# Altium PCB 四层板(完成).PcbDoc (part 2 of 3)
Units mil, origin at the board's own origin, x right, y up, seen from the top; angles counter-clockwise.
Board outline 3790.28 x 1642.89 mil, 4 copper layers (Top Layer, GND, PWR, Bottom Layer), stack 13.98 mil thick; 140 components, 140 nets, 625 pads, 276 vias.
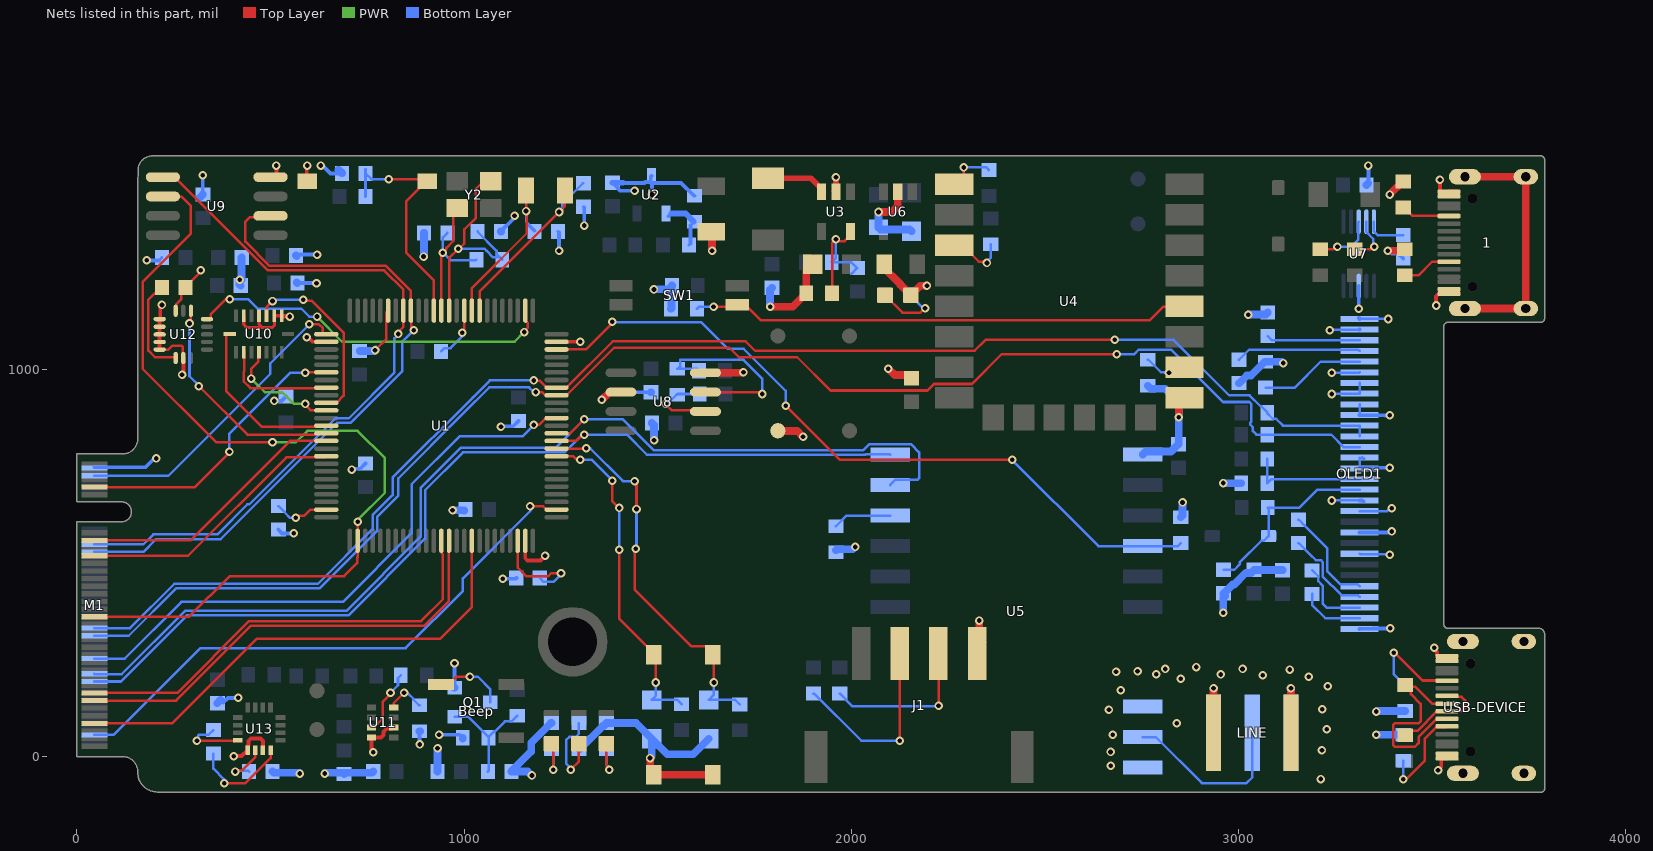
[diagram p4: the nets of this part, all layers, seen from the top]

## Via types
v1: diameter 22, hole 12, Top Layer to Bottom Layer, tented both sides, 195 vias
v2: diameter 22, hole 12, Top Layer to Bottom Layer, 71 vias
v3: diameter 40, hole 30, Top Layer to Bottom Layer, tented both sides, 6 vias
v4: diameter 50, hole 30, Top Layer to Bottom Layer, tented both sides, 4 vias

## Nets (pads, with @x,y where several pads share a name; then routed paths per layer and width w, separated by ;. In a path a pad name is that pad's centre, name@x,y a point inside that pad or via, vN(x,y) a via of type N, cw(c..) or ccw(c..) an arc to the next point about the centre after c; other vN are vias at no path point) (continued)
FLASH_SPI2_MISO: M1.52 U1.17 U9.2 | length 1803
  Top Layer w6.5: U9.2@489.26,1396.44 486.14,1393.32 447.16,1393.32 435.28,1381.44 435.28,1329.93 498.02,1267.19 798.02,1267.19 862.8,1202.4 U1.17@862.8,1151.81 863.82,1150.79 863.82,1107.9 v2(870.28,1101.44)
  Bottom Layer w6.5: M1.52@45.28,528.71 171.72,528.71 204.45,561.44 371.54,561.44 672.53,862.42 707.53,862.42 840.87,995.77 840.87,1072.03 v2(870.28,1101.44)
FLASH_SPI2_MOSI: M1.54 U1.18 U9.5 | length 1934.6
  Top Layer w6.5: U9.5@211.3,1496.44 252.5,1496.44 493.25,1255.69 793.25,1255.69 843.11,1205.83 U1.18@843.11,1151.81 842.9,1151.6 842.9,1109.06 830.28,1096.44 v2(830.28,1091.44)
  Bottom Layer w6.5: M1.54@45.28,548.39 171.96,548.39 197.64,574.07 362.9,574.07 440.53,651.69 445.53,651.69 667.76,873.92 702.76,873.92 820.28,991.44 820.28,1079.88 830.28,1089.88 v2(830.28,1091.44)
FLASH_SPI2_SCK: M1.35 U1.52 U9.6 | length 2355.4
  Top Layer w6.5: M1.35@37.82,361.44 290.17,361.44 395.17,466.44 690.28,466.44 723.63,499.79 723.63,513.85 725,515.22 U1.52@725,557.33 725,606.16 v2(725.28,606.44) ; U9.6@211.3,1446.44 212.36,1445.38 271.47,1445.38 275.28,1441.57 275.28,1441.44 294.53,1422.19 294.53,1350.5 170,1225.97 170,1001.72 360.28,811.44 v1(505.28,811.44)
  PWR w6.5: v1(505.28,811.44) 565.28,811.44 595.28,841.44 725.28,841.44 795.28,771.44 795.28,681.44 725.28,611.44 v2(725.28,606.44)
GND: 1.1 1.2 1.3 1.4 1.A1 1.A12 1.B1 1.B12 C1.1 C2.1 C3.1 C4.2 C6.2 C7.2 C8.2 C9.2 C11.1 C12.1 C14.1 C15.2 C16.2 C17.2 C18.1 C19.2 C20.2 C21.1 C22.1 C23.1 C24.1 C25.1 C27.1 C28.1 C29.1 C30.1 C31.1 C32.1 C33.2 C34.1 C35.1 C36.2 C37.2 C40.2 C41.2 C42.2 C43.2 C44.2 C45.2 C46.2 C47.2 C48.2 C49.2 C50.1 C52.2 J1.4 K1.1 K2.1 K3.1 LED1.2 LINE.2 LINE.3 LINE.4 LINE.5 M1.74 OLED1.1 OLED1.8 OLED1.10 OLED1.12 OLED1.13 OLED1.16 OLED1.17 OLED1.21 OLED1.22 OLED1.23 OLED1.24 OLED1.25 OLED1.29 OLED1.30 P-GND.1 Q1.1 R1.1 R3-1.1 R3.1 R8.2 R13.2 R16.1 R17.1 R20.2 R24.2 R28.1 R29.2 R31.2 R33.1 R37.1 R38.1 R47.2 R48.1 R49.1 R50.2 U1.10 U1.20 U1.27 U1.74 U1.99 U2.3 U3.2 U4.9 U5.1 U5.3 U5.9 U6.2 U7.3 U8.2 U8.8 U9.4 U10.2 U10.4 U10.6 U10.7 U11.1 U11.7 U12.8 U12.9 U12.10 U12.11 U12.12 U12.13 U12.15 U13.9 U13.11 USB-DEVICE.1 USB-DEVICE.2 USB-DEVICE.3 USB-DEVICE.4 USB-DEVICE.A1 USB-DEVICE.A12 USB-DEVICE.B1 USB-DEVICE.B12 | length 9268.9
  Top Layer w6.5: U12.13@213.95,1051.05 214.15,1051.25 236.48,1051.25 246.68,1061.44 270.28,1061.44 274.1,1057.62 274.1,1030.27 U12.15@274.97,1029.4 ; U12.8@255.28,1151.44 256.15,1152.31 256.15,1167.31 270.28,1181.44 270.28,1200.87 C49.2@272.29,1202.88 ; C49.2@280.59,1211.44 280.59,1212.42 317.31,1249.14 317.31,1253.47 v1(320.28,1256.44) ; U9.4@500.28,1496.44 506.83,1496.44 U9.4@515.28,1504.89 ; K3.1@593.8,1487.92 K3.1@595.28,1486.44 ; v2(770.02,1049.43) 799.53,1078.94 799.53,1147.6 U1.20@803.74,1151.81 ; v2(995,1095) 1000,1100 1000,1151.21 U1.10@1000.6,1151.81 ; v1@3505.28,277.25 v1(3505.28,281.44) ; v1(3510,1165) v1@3510.28,1165.28 ; USB-DEVICE.A12@3512.04,261.76 3514.69,259.11 USB-DEVICE.A12@3538.31,259.11 ; USB-DEVICE.B12@3512.63,4.48 3515.29,7.14 USB-DEVICE.B12@3538.31,7.14 ; 1.A12@3519.69,1459.11 1.A12@3543.31,1459.11 ; 1.A1@3528.27,1195.33 1.A1@3543.31,1195.33
  Top Layer w8: U10.2@430.99,1138.68 430.99,1115.73 438.79,1107.93 478.79,1107.93 ; U10.4@470.36,1138.68 470.36,1116.36 478.79,1107.93 ; U10.6@510.28,1138.68 510.28,1113.99 504.22,1107.93 478.79,1107.93
  Top Layer w10: U12.13@213.95,1051.05 U12.12@213.95,1070.74 U12.11@213.95,1090.42 U12.10@213.95,1110.11 U12.9@213.95,1129.79 214.81,1129.79 215.28,1130.26 215.28,1158.64 219.83,1163.19 v1(219.83,1166.44) ; v1(271.71,986.44) 275.12,989.86 275.12,1029.24 U12.15@274.97,1029.4 ; v1(405.28,1.44) 425.28,1.44 439.98,16.14 439.98,16.44 U13.9@441.21,17.67 ; U13.9@441.21,16.44 U13.9@441.21,17.67 ; U13.11@481.07,16.44 481.07,40.09 474.72,46.44 449.27,46.44 443.41,40.58 443.41,29.84 441.21,27.64 U13.9@441.21,17.67 ; U10.6@509.73,1138.68 510.28,1138.68 U10.7@529.42,1138.68 ; U9.4@515.28,1504.89 v1(515.28,1526.44) ; K3.1@593.8,1487.92 593.8,1524.96 v1(595.28,1526.44) ; v2(593.89,1082.83) 597.14,1082.83 608.51,1071.46 643.96,1071.46 U1.27@644.3,1071.11 ; v1@761.34,13.09 U11.1@761.34,44.88 ; U11.1@761.34,49.88 785.75,49.88 791.61,55.74 791.61,63.97 800.4,72.76 815.69,72.76 U11.7@818.42,75.48 ; U1.74@1158.08,557.33 1158.08,512.3 1163.94,506.44 1197.03,506.44 1209.16,518.57 v2(1209.16,518.65) ; U1.99@1238.78,1071.11 1238.95,1071.28 1299.79,1071.28 1299.95,1071.11 v2(1300.28,1071.44) ; U3.2@1960.04,1458.58 U3.2@1960.16,1458.7 ; v1@1960.16,1496.32 v1(1960.28,1496.44) ; U4.9@2845.28,911.53 U4.9@2860.23,926.48 ; v1@3505.28,277.25 3512.04,270.49 USB-DEVICE.A12@3512.04,261.76 ; v1@3510.28,1165.28 3510.28,1188.56 3516.14,1194.42 1.A1@3542.41,1194.42 ; v1(3515,-35) 3523.27,-26.73 3523.27,-5.58 USB-DEVICE.A1@3524.17,-4.67 ; 1.A12@3519.69,1459.11 3520,1459.41 v1(3520,1490) ; USB-DEVICE.A1@3522.3,0.68 3529.16,4.48 3532.41,1.23 ; USB-DEVICE.A1@3525.74,-0.68 3529.16,-2.02 3532.41,1.23 ; USB-DEVICE.A1@3529.16,-4.67 USB-DEVICE.A1@3538.31,-4.67 3532.41,1.23 ; USB-DEVICE.B12@3538.31,7.14 3532.41,1.23 ; USB-DEVICE.B1@3538.31,247.3 USB-DEVICE.A12@3538.31,259.11 USB-DEVICE.A12@3553.75,259.11 ; 1.B12@3543.31,1207.14 1.A1@3543.31,1195.33 ; 1.B1@3543.31,1447.3 1.A12@3543.31,1459.11 1.A12@3565.34,1459.11 ; 1.A1@3565.34,1195.33 1.A1@3543.31,1195.33 ; 1.1@3566.25,1170.51 3579.81,1156.94 1.1@3584.26,1156.94 ; 1.2@3566.25,1483.92 3579.81,1497.49 1.2@3584.26,1497.49 ; 1.A1@3542.41,1194.42 3528.27,1194.42 1.A1@3542.41,1194.42 ; 1.A1@3542.41,1194.42 1.A1@3543.31,1195.33
  Top Layer w12: U10.7@529.42,1138.68 530.5,1137.56 549.16,1137.56 v1(550.28,1136.44) ; v1(765.28,11.44) v1@765.28,14.15
  Top Layer w15: U3.2@1960.16,1458.7 v1@1960.16,1496.32 ; USB-DEVICE.B12@3545.28,2.29 USB-DEVICE.B12@3545.28,3.34
  Top Layer w20: v1(1355.28,921.44) 1355.66,921.82 1356.28,921.82 1375.88,941.42 U8.2@1405.35,941.42 ; v1(1480.28,-3.56) 1480.66,-3.94 1480.66,-38.21 K1.1@1489.48,-47.02 K2.1@1641.78,-47.03 ; U8.8@1623.29,991.42 1720.27,991.43 v1(1721.39,992.55) ; C27.1@1638.67,1355.49 1640.28,1353.89 v1(1640.28,1306) ; v1@1790.28,1161.59 v1(1790.28,1161.44) 1848.35,1161.44 1873.67,1186.75 1875.64,1186.75 1883.35,1194.47 R20.2@1883.35,1196.44 1883.35,1254.51 C24.1@1900.28,1271.44 ; P-GND.1@1810.28,841.44 1810.51,841.21 1859.97,841.21 1874.74,826.44 v1(1875.28,826.44) ; U3.2@1958.23,1460.39 U3.2@1960.04,1458.58 ; v1(2070.28,1406.44) 2105.5,1406.44 2120.04,1420.98 U6.2@2120.04,1468.58 ; C25.1@2080.28,1271.44 2080.28,1266.44 2127.06,1219.66 2127.06,1218.12 LED1.2@2153.75,1191.44 2178.36,1216.06 2194.9,1216.06 v1(2195.28,1216.44) ; v1(2095.28,1001.44) 2095.82,1001.44 2111.88,985.38 2146.97,985.38 C20.2@2155.28,977.07 ; J1.4@2325.28,266.44 2325.28,282.82 2338.9,296.44 2330.28,305.06 v1(2330.28,351.44) ; v1(2845.28,876.44) U4.9@2845.28,911.53 ; LINE.4@2935.28,61.44 v1(2935.28,176.44) ; LINE.5@3135.28,61.44 v1(3135.28,176.44) ; v1(3385.28,1306.44) 3425.39,1306.44 R13.2@3428.85,1309.9 ; v1(3390.28,1451.44) 3390.28,1451.89 3423.3,1484.91 R17.1@3425.27,1484.91 ; USB-DEVICE.1@3557.84,-34.11 3566.79,-43.06 USB-DEVICE.1@3579.26,-43.06 ; USB-DEVICE.2@3557.84,288.54 3566.79,297.49 USB-DEVICE.2@3579.26,297.49 ; 1.1@3584.26,1156.94 1.3@3741.74,1156.94 1.4@3741.74,1497.49 1.2@3584.26,1497.49
  Bottom Layer w6.5: C46.2@212.24,1281.44 C46.2@219.71,1288.92 ; C48.2@566.27,1294.06 C48.2@568.66,1296.44 ; R38.1@885.13,65.71 R38.1@885.28,65.57 ; C6.2@940.59,1046.44 949.15,1055 965,1055 995,1085 v2(995,1095) ; R33.1@988.55,56.44 R33.1@996.26,48.73 ; C18.1@1095.59,1356.44 C18.1@1095.59,1357.42 ; v1@1127.31,1389.14 1127.31,1393.47 v1(1130.28,1396.44) ; C12.1@1242.38,1356.44 C12.1@1245.28,1353.54 ; C11.1@1307.89,1420.09 C11.1@1310.28,1417.7 ; v1(3235.28,1101.44) 3235.89,1102.05 3311.89,1102.05 OLED1.29@3312.5,1102.65 ; v1(3240.28,661.44) 3240.44,661.6 3312.34,661.6 OLED1.13@3312.5,661.75 ; v1(3240.28,936.44) 3240.74,936.9 3312.04,936.9 OLED1.23@3312.5,937.35 OLED1.24@3312.5,964.95 ; v1(3240.28,991.44) 3240.79,991.95 3311.99,991.95 OLED1.25@3312.5,992.45 ; OLED1.8@3312.5,523.95 3313.76,522.7 3389.02,522.7 v1(3390.28,521.44) ; OLED1.12@3312.5,634.15 3383.8,634.15 3391.09,641.44 v1(3395.28,641.44) ; OLED1.16@3312.5,744.45 OLED1.17@3312.5,771.95 ; OLED1.22@3312.5,909.75 3312.5,882.32 OLED1.21@3312.57,882.25 ; OLED1.30@3312.5,1130.25 3312.57,1130.18 3386.56,1130.18 v1@3386.77,1130.39
  Bottom Layer w10: M1.74@45.28,747.25 177.25,747.25 200,770 v1(205,770) ; v1(180.28,1281.44) C46.2@212.24,1281.44 ; C33.2@325.28,1451.44 v1(325.28,1501.44) ; C50.1@378.12,139.28 390.5,151.66 v1(416.9,151.66) ; v1(509.41,918.55) 528.92,918.55 R24.2@540.27,929.9 ; C15.2@520.28,586.44 530.28,576.44 v1(560.28,576.44) ; C48.2@568.66,1296.44 v1(620.28,1296.44) ; C44.2@569.45,1222.78 v1(618.94,1222.78) ; v1(630.28,1526.44) 634.74,1526.44 654.96,1506.22 C3.1@684.85,1506.22 ; v1(710.28,741.44) 712.29,743.45 731.97,743.45 C8.2@745.28,756.75 ; v1(885.28,31.44) R38.1@885.28,65.57 ; v1(935.28,56.44) R33.1@988.55,56.44 ; v1(975.28,241.44) 975.53,241.19 Q1.1@975.53,178.03 ; v1(1095.28,851.44) 1096.97,853.13 1126.97,853.13 C4.2@1140.28,866.44 ; C18.1@1095.59,1357.42 v1@1127.31,1389.14 ; v1(1099.53,459.25) 1132.78,459.25 C16.2@1134.97,461.44 ; v1(1245.28,1306.44) C12.1@1245.28,1353.54 ; v1(1310.28,1371.44) C11.1@1310.28,1417.7 ; v1(1355.28,921.44) 1374.81,940.97 C30.1@1482.24,940.97 ; C14.1@1382.8,1481.75 1383.78,1481.75 1397.09,1468.45 1397.09,1467.46 1403.11,1461.44 v1(1440.28,1461.44) ; 1410.28,1481.75 1465.88,1481.75 1467.7,1483.57 1480.21,1483.57 U2.3@1482.02,1481.75 ; U2.3@1482.02,1488.64 1482.02,1497.89 U2.3@1483.76,1499.63 ; v1(1485.28,1451.44) 1485.28,1478.49 U2.3@1482.02,1481.75 ; R8.2@1595.28,1448.37 1593.31,1448.37 1559.92,1481.75 U2.3@1482.02,1481.75 ; OLED1.30@3310.28,1132.47 OLED1.30@3312.5,1130.25 ; v1(3310.28,1156.44) U7.3@3310.28,1215.3 ; OLED1.10@3312.5,579.05 3389.65,579.05 3392.03,581.44 v1(3395.28,581.44) ; OLED1.16@3312.5,744.45 3313.12,745.11 3319.48,745.27 OLED1.16@3320.16,745.29 ; OLED1.29@3312.5,1102.65 OLED1.29@3312.57,1102.72 ; OLED1.1@3312.57,329.85 3347.21,330.48 3347.37,330.65 3390.47,330.65 v1(3391.27,331.44) ; OLED1.13@3312.57,661.75 3319.37,661.75 OLED1.13@3322.22,658.9 ; OLED1.21@3312.57,882.25 3313.1,881.71 3379.8,880.91 3380.34,881.44 v1(3390.28,881.44) ; OLED1.30@3312.57,1130.25 OLED1.30@3313.45,1131.05 ; OLED1.17@3319.32,771.95 OLED1.17@3322.17,769.1 ; OLED1.16@3319.5,744.63 OLED1.16@3320.16,745.29 ; OLED1.16@3322.17,747.3 OLED1.16@3320.16,745.29 ; C29.1@3330.6,1476.44 3335.28,1481.12 v1(3335.28,1526.44) ; v1(3385.28,1306.44) 3388.53,1306.44 3395.54,1299.43 3411.97,1299.43 C28.1@3425.28,1286.12 ; v1(3386.77,1130.1) 3389.55,1127.32 3386.91,1130.23 v1@3386.77,1130.39 ; v1(3390.28,746.44) 3389.69,747.06 OLED1.16@3320.16,745.29
  Bottom Layer w15: C14.1@1382.8,1481.75 1410.28,1481.75
  Bottom Layer w20: C33.2@316.97,1443.13 C33.2@325.28,1451.44 ; C50.1@362.85,137.94 C50.1@371.15,146.25 ; v1(420.28,1231.44) 420.28,1218.92 C47.2@423.21,1215.99 ; C47.2@425.57,1231.44 425.57,1288.44 C45.2@426.04,1288.91 C45.2@426.04,1287.93 ; C52.2@505.6,-38.56 508.78,-41.75 v1@575.28,-41.75 ; C48.2@566.27,1294.06 C48.2@567.86,1292.47 ; C44.2@567.86,1224.37 C44.2@569.45,1222.78 ; v1@640.28,-41.75 687.1,-41.75 C43.2@690.28,-44.93 693.47,-41.75 762.09,-41.75 C42.2@765.28,-38.56 C42.2@765.28,-37.58 ; C3.1@675.56,1515.51 676.54,1515.51 684.85,1507.2 C3.1@684.85,1506.22 ; C7.2@730.42,1047.42 768.01,1047.42 v2(770.02,1049.43) v2@772.03,1051.44 ; R38.1@885.13,65.71 R38.1@887.1,65.71 ; v1(895.28,1291.44) 895.28,1291.98 896.3,1293.01 C17.2@896.3,1352.54 ; C36.2@931.46,-38.56 v1(931.46,21.35) ; v1(970.28,636.44) 999.98,636.44 C9.2@1000.66,635.76 ; Q1.1@974.55,178.03 Q1.1@975.53,178.03 ; R33.1@996.26,46.76 R33.1@996.26,48.73 ; C18.1@1095.59,1355.46 C18.1@1095.59,1356.44 ; v1(1175.28,-48.56) 1174.74,-48.56 1164.74,-38.56 C37.2@1122.09,-38.56 1122.09,-37.58 1173.21,13.54 1173.21,36.11 1223.74,86.64 R1.1@1225.71,86.64 ; R3.1@1296.66,19.72 1298.63,19.72 1357.84,78.93 1359.96,78.93 R3-1.1@1367.67,86.64 1444.27,86.64 C1.1@1484.48,46.44 ; v1(1480.28,-3.56) 1480.28,-3.02 1484.48,1.18 C1.1@1484.48,46.44 ; C30.1@1482.24,940.97 C30.1@1483.22,940.97 ; C32.1@1484.97,861.44 1490.25,856.16 1490.25,817.63 v1(1490.63,817.25) ; v1(1490.28,1206.44) 1490.66,1206.82 1529.11,1206.82 R31.2@1535.64,1213.35 ; R29.2@1534.45,1156.42 1535.64,1157.61 R31.2@1535.64,1213.35 ; R31.2@1536.82,1216.43 1536.82,1214.54 R31.2@1535.64,1213.35 ; C2.1@1631.78,46.44 1591.78,6.44 1524.48,6.44 C1.1@1484.48,46.44 ; v1(1790.28,1161.44) 1790.28,1205.81 C21.1@1795.28,1210.81 ; R50.2@1960.29,532.75 1963.24,535.7 2004,535.7 2009.74,541.44 v1(2010.28,541.44) ; v1(2070.28,1406.44) C22.1@2070.28,1366.44 2075.28,1361.44 2150.28,1361.44 C23.1@2155.28,1356.44 ; U5.9@2752.6,780.14 2760.31,787.86 2825.4,787.86 2844.3,806.76 C19.2@2845.28,806.76 v1(2845.28,876.44) 2845.28,915.9 2810.93,950.25 2772.99,950.25 R16.1@2765.27,957.97 ; R49.1@2850.79,618.44 2854.9,622.55 2854.9,656.06 v1(2855.28,656.44) ; v1(2960.28,371.44) 2960.28,410 2965.28,415 2960.28,420 2984.67,444.38 2988.94,444.38 3018.94,474.38 3031.92,474.38 C35.1@3040.23,482.69 3040.83,482.08 3113.19,482.08 C34.1@3113.79,481.48 ; v1(2960.28,706.44) 2960.82,706.44 2961.58,705.68 R28.1@3006.84,705.68 ; C41.2@3000.7,964.47 3001.69,964.47 3021.21,983.99 3031.8,983.99 3067.8,1019.99 R37.1@3069.77,1019.99 3111.19,1019.99 3114.74,1016.44 v1(3115.28,1016.44) ; v1(3025.28,1141.44) 3069.96,1141.44 C40.2@3075.28,1146.76 ; C29.1@3330.6,1476.44 C29.1@3334.57,1480.42 ; v1(3355.28,56.44) R47.2@3425.28,56.44 ; v1(3355.28,116.44) 3355.82,116.44 3357.35,117.97 R48.1@3430.27,117.97 ; 1.2@3558.9,1506.44 3567.85,1497.49 1.2@3584.26,1497.49
  other v1: 3212.22,-57.87 575.28,-43.56 640.28,-43.56 2670.28,-23.56 2669.37,12.09 3215.28,16.44 2675.28,56.44 3227.9,70.53 2840.28,86.44 2665.28,121.44 3216.44,122.37 2695.28,171.44 3230.28,181.44 2850.28,201.44 3180.88,206.16 3062.12,210.38 2787.24,212.79 2953.62,212.19 2683.56,218.82 2739.02,220.62 3132.05,224.84 2810.28,226.44 3010.28,226.44 2890.28,231.44
GPIO0_ESP12F: R29.1 SW1.1 U4.12 | length 1671.5
  Top Layer w6.5: SW1.1@1720.28,1166.44 1714.2,1160.36 SW1.1@1713.11,1161.44 ; SW1.1@1726.36,1166.44 1766.36,1126.44 2770.28,1126.44 2805.16,1161.32 2858.93,1161.32 U4.12@2860.31,1162.7 ; v1(1644.2,1161.44) SW1.1@1713.11,1161.44 ; v1(1644.2,1161.44) SW1.1@1713.11,1161.44 ; v1(1644.2,1161.44) SW1.1@1713.11,1161.44 ; v1(1644.2,1161.44) SW1.1@1705.28,1161.44 ; v1(1644.2,1161.44) SW1.1@1705.28,1161.44 ; v1(1644.2,1161.44) SW1.1@1713.11,1161.44 ; SW1.1@1705.28,1161.44 SW1.1@1713.11,1161.44 ; SW1.1@1705.28,1161.44 SW1.1@1713.11,1161.44 ; SW1.1@1705.28,1161.44 SW1.1@1713.11,1161.44 ; SW1.1@1705.28,1161.44 SW1.1@1713.11,1161.44 ; SW1.1@1705.28,1161.44 SW1.1@1713.11,1161.44 ; SW1.1@1705.28,1161.44 SW1.1@1713.11,1161.44
  Bottom Layer w6.5: R29.1@1601.38,1156.42 1606.4,1161.44 v1@1650.28,1161.44
IN__ICM20602_CS: U1.2 U12.5 | length 964.1
  Top Layer w6.5: U12.5@335.99,1129.79 343.31,1129.79 345.4,1131.88 345.4,1141.23 385.61,1181.44 v1(395.28,1181.44) ; v2(1155.28,1096.44) 1155.28,1098.56 1164.72,1108 1164.72,1119.25 1158.08,1125.88 U1.2@1158.08,1151.81
  PWR w6.5: v1(620.28,1136.44) 685.28,1071.44 1130.28,1071.44 v2(1155.28,1096.44)
  Bottom Layer w6.5: v1(395.28,1181.44) 442.41,1181.44 466.66,1157.19 579.53,1157.19 600.28,1136.44 v1(620.28,1136.44)
IN_BMI088_CSB1_ACC: U1.33 U10.14 | length 300.7
  Top Layer w6.5: U10.14@432.66,1047.53 432.66,996.05 431.03,994.41 431.03,968.47 448.06,951.44 613.4,951.44 613.94,951.98 643.29,951.98 U1.33@644.3,953
IN_BMI088_CSB2_GYRO: U1.35 U10.5 | length 479.3
  Top Layer w6.5: U10.5@490.05,1138.68 490.05,1161.21 v1(505.28,1176.44) ; v2(584.77,1179.68) 587.73,1176.71 607.23,1176.71 689.05,1094.89 689.05,932.45 670.23,913.63 U1.35@644.3,913.63
  Bottom Layer w6.5: v1(505.28,1176.44) 508.52,1179.68 v2(584.77,1179.68)
IN_BMI088_INT1_EXIT7_ACC: U1.38 U10.16 | length 454.6
  Top Layer w6.5: U10.16@394.89,1091.44 386.95,1091.44 385.28,1089.77 385.28,944.22 478.06,851.44 614.15,851.44 617.28,854.57 U1.38@644.3,854.57
IN_BMI088_INT2_EXIT1_GYRO: U1.36 U10.12 | length 306
  Top Layer w6.5: v1(450.28,976.44) 450.28,1001.44 468.69,1019.85 468.69,1042.53 U10.12@470.36,1044.2 ; v2(590.28,910.69) 590.28,907.81 603.13,894.96 643.29,894.96 U1.36@644.3,893.94
  PWR w6.5: v1(450.28,976.44) 485.28,941.44 530.28,941.44 561.03,910.69 v2(590.28,910.69)
IN_ICM20602_INT_EXIT8: U1.39 U12.6 | length 588.8
  Top Layer w6.5: v1(290.96,1118.67) 293.78,1121.5 293.78,1150.57 U12.6@294.65,1151.44 ; v2(315.28,956.44) 440.28,831.44 613.84,831.44 617.28,834.88 U1.39@644.3,834.88
  Bottom Layer w6.5: v1(290.96,1118.67) 290.96,982.32 315.28,958 v2(315.28,956.44)
IN_KEY1_EXIT3: C1.2 K1.2 R2.1 U1.84 | length 898
  Top Layer w6.5: U1.84@1212.86,775.83 U1.84@1238.78,775.83 1281.7,775.83 1291.09,766.44 v2(1300.28,766.44) ; v1(1382.31,712.19) 1382.31,660.16 v1(1400.28,642.19) ; v1@1400.28,536.44 v1(1400.28,534.34) 1400.28,357.17 1489.48,267.98 K1.2@1489.48,262.98 1489.48,257.24 1495.28,251.44 v1(1495.28,191.44)
  Bottom Layer w6.5: v2(1300.28,766.44) 1330.28,766.44 1382.31,714.41 v1(1382.31,712.19) ; v1(1400.28,534.34) v1(1400.28,642.19) ; v1(1495.28,191.44) 1495.28,157.24 C1.2@1484.48,146.44 1550.99,146.44 R2.1@1561.78,135.65
IN_KEY2_EXIT4: C2.2 K2.2 R4.1 U1.85 | length 1003.9
  Top Layer w6.5: U1.85@1238.78,795.51 1314.35,795.51 v2(1315.28,796.44) ; v1(1440.28,711.56) 1440.28,707.36 1445.28,702.36 v1(1445.28,639.34) ; v1(1443.5,537.19) 1440.28,533.97 1440.28,431.44 1587,284.72 1625.03,284.72 1641.78,267.97 K2.2@1641.78,262.97 1645.28,259.47 v1(1645.28,191.44)
  Bottom Layer w6.5: v2(1315.28,796.44) 1325.28,796.44 1410.16,711.56 v1(1440.28,711.56) ; v1(1443.5,537.19) 1443.5,537.36 1445.28,539.14 v1(1445.28,639.34) ; v1(1645.28,191.44) 1645.28,159.94 C2.2@1631.78,146.44 1700.26,146.44 R4.1@1711.79,134.91
IN_LORA_MD0: R49.2 U1.98 U5.6 | length 1909.9
  Top Layer w6.5: U1.98@1238.78,1051.42 1314.57,1051.44 1379.23,1116.1 1379.23,1120.39 v2(1382.2,1123.36) ; v1(1830.28,906.44) 1970.28,766.44 v1(2415.28,766.44)
  Bottom Layer w6.5: v2(1382.2,1123.36) 1384.12,1121.44 1613.06,1121.44 1681.56,1052.94 1722.13,1052.94 1830.28,944.79 v1(1830.28,906.44) ; v1(2415.28,766.44) 2637.8,543.92 U5.6@2752.6,543.92 2843.2,543.92 R49.2@2850.79,551.51
LB_ENCODE1_TIM3_CH1: M1.15 U1.63 | length 1152.6
  Top Layer w6.5: M1.15@45.28,164.59 259.59,164.59 445.06,350.06 888.9,350.06 945.28,406.44 945.28,521.95 942.56,524.67 942.56,556.31 U1.63@941.54,557.33
LB_ENCODE2_TIM3_CH2: M1.13 U1.64 | length 1177.5
  Top Layer w6.5: M1.13@45.28,144.91 256.17,144.91 449.82,338.56 897.4,338.56 961.03,402.19 961.03,557.14 U1.64@961.22,557.33
LB_WHELL_SPEED_TIM1_CH2: M1.51 U1.42 | length 705.4
  Top Layer w6.5: M1.51@45.28,518.92 287.76,518.92 541.42,772.58 641.05,772.58 U1.42@644.3,775.83
LF_ENCODE1_TIM2_CH1: M1.4 U1.77 | length 1467.8
  Top Layer w6.5: v2(1170.28,646.44) 1204.45,646.44 1212.86,638.03 U1.77@1238.78,638.03
  Bottom Layer w6.5: M1.4@45.28,56.27 95.11,56.27 319.28,280.44 849.28,280.44 996.78,427.94 996.78,460.16 1170.28,633.66 v2(1170.28,646.44)
LF_ENCODE2_TIM2_CH2: M1.24 U1.89 | length 1524.6
  Top Layer w6.5: v2(1180.28,856.44) 1193.95,856.44 1211.76,874.25 U1.89@1238.78,874.25
  Bottom Layer w6.5: M1.24@45.28,253.12 123.81,253.12 270.18,399.49 686.82,399.49 864.78,577.45 864.78,703.47 989.25,827.94 1151.78,827.94 v2(1180.28,856.44)
LF_WHELL_SPEED_TIM1_CH1: M1.55 U1.40 | length 705.4
  Top Layer w6.5: M1.55@45.28,558.29 293.39,558.29 550.3,815.2 U1.40@644.3,815.2
LORA_RX_USART2: M1.20 U1.87 U5.11 | length 2760.3
  Top Layer w6.5: U1.87@1238.78,834.88 1273.72,834.88 v2(1310.28,871.44)
  Bottom Layer w6.5: M1.20@45.3,213.83 46.43,212.7 115.92,212.7 279.71,376.49 696.34,376.49 887.78,567.93 887.78,693.94 991.03,797.19 1236.03,797.19 v2(1310.28,871.44) 1409.22,871.44 1489.22,791.44 2031.02,791.44 2045.68,806.11 2154.88,806.11 2175.28,785.7 2175.28,719.27 2171.47,715.46 2114.34,715.46 U5.11@2100.28,701.4
LORA_TX_USART2: M1.18 U1.86 U5.10 | length 2492.8
  Top Layer w6.5: U1.86@1238.78,815.2 1289.04,815.2 1305.28,831.44 v2(1310.28,831.44)
  Bottom Layer w6.5: M1.18@45.28,194.06 113.54,194.06 284.48,364.99 701.11,364.99 899.28,563.16 899.28,687.97 997,785.69 1259.53,785.69 1305.28,831.44 v2(1310.28,831.44) 1420.28,831.44 1471.78,779.94 2035.78,779.94 2037.28,781.44 2098.98,781.44 U5.10@2100.28,780.14
Net1_A5: 1.A5 R13.1 | length 129
  Top Layer w6.5: R13.1@3428.85,1242.97 3464.97,1242.97 3500.01,1278 1.A5@3543.31,1278
Net1_B5: 1.B5 R17.2 | length 127.1
  Top Layer w6.5: R17.2@3425.27,1417.98 3439.74,1403.52 3441.71,1403.52 3448.78,1396.44 3542.99,1396.44 1.B5@3543.31,1396.11
Net2_A5: R47.1 USB-DEVICE.A5 | length 250.9
  Top Layer w6.5: v1(3425.28,-58.56) 3428.25,-55.59 3435.8,-55.59 3480.25,-11.15 3480.25,45.62 3509.97,75.35 3535.66,75.35 USB-DEVICE.A5@3538.31,78
  Bottom Layer w6.5: v1(3425.28,-58.56) R47.1@3425.28,-10.49
Net2_B5: R48.2 USB-DEVICE.B5 | length 264.4
  Top Layer w6.5: v1(3400.28,267.94) 3403.78,267.94 3475.08,196.64 3537.78,196.64 USB-DEVICE.B5@3538.31,196.11
  Bottom Layer w6.5: v1(3400.28,267.94) 3400.28,212.92 3428.3,184.9 R48.2@3430.27,184.9
NetBEEP1_2: Beep.2 Q1.3 | length 182.3
  Top Layer w6.5: Beep.2@940.68,186.44 960.36,186.44 980.36,206.44 v1(1015.28,206.44)
  Bottom Layer w6.5: v1(1015.28,206.44) 1035.28,206.44 1068.05,173.67 Q1.3@1068.05,140.63
NetC11_2: C11.2 U1.8 Y1.1 | length 508.9
  Top Layer w6.5: U1.8@1039.97,1151.81 1039.97,1201.13 v1(1245.28,1406.44) 1260.48,1421.64 Y1.1@1260.48,1461.44
  Bottom Layer w6.5: v1@1249.83,1406.9 v1@1250.02,1406.71 ; C11.2@1307.89,1480.72 1306.91,1480.72 1253.25,1427.05 v1@1253.25,1409.93 ; v1@1250.02,1406.71 v1@1253.25,1409.93 ; v1@1250.02,1406.71 v1@1253.25,1409.93 ; v1@1250.02,1406.71 v1@1253.25,1409.93
NetC12_2: C12.2 U1.9 Y1.2 | length 459.9
  Top Layer w6.5: U1.9@1020.28,1151.81 1020.28,1209.93 1161.87,1351.51 v1@1161.87,1411.99 ; v1@1160.08,1402.54 v1(1160.08,1408.84) Y1.2@1160.08,1461.44
  Bottom Layer w6.5: v1@1160.08,1410.89 v1(1160.08,1408.84) 1160.08,1381.64 1166.69,1375.03 1166.69,1371.5 C12.2@1181.75,1356.44 ; C12.2@1170.28,1371.44 C12.2@1183.52,1358.2
NetC15_1: C15.1 U1.49 | length 143.1
  Top Layer w6.5: v2@567.15,619.57 570.11,622.54 587.54,622.54 603.03,638.03 U1.49@644.3,638.03
  Bottom Layer w6.5: C15.1@520.28,647.07 521.26,647.07 536.32,632.01 536.32,631.03 550.91,616.44 v2(565.28,616.44)
NetC16_1: C16.1 U1.73 | length 262.7
  Top Layer w6.5: U1.73@1138.39,557.33 1138.93,556.8 1138.93,487.79 1160.28,466.44 1217.61,466.44 1224.77,473.59 v2(1250.28,473.59)
  Bottom Layer w6.5: C16.1@1195.59,461.44 1205.59,451.44 1231.09,451.44 1250.28,470.63 v2(1250.28,473.59)
NetC17_1: C17.1 R10.2 U1.13 Y2.1 | length 433.7
  Top Layer w6.5: U1.13@941.54,1151.81 941.54,1297.32 954.56,1310.34 954.56,1313.65 971.97,1331.06 Y2.1@971.97,1421.99
  Bottom Layer w6.5: C17.1@956.93,1352.54 945.28,1340.89 v1(945.28,1301.44) 964.53,1282.19 1030.61,1282.19 R10.2@1031.82,1283.4
NetC18_2: C18.2 R10.1 U1.12 Y2.3 | length 607.3
  Top Layer w6.5: U1.12@961.22,1151.81 961.22,1287.38 v1(985.28,1311.44) 987.09,1311.44 1000.45,1324.81 1000.45,1361.44 1030.28,1391.27 1030.28,1466.52 1054.65,1490.89 Y2.3@1058.59,1490.89
  Bottom Layer w6.5: v1(985.28,1311.44) 1052.86,1311.44 1057.79,1306.51 1075.09,1289.2 1092.95,1289.2 R10.1@1098.75,1283.4 1084.28,1297.87 1084.28,1306.14 1034.96,1355.46 C18.2@1034.96,1356.44
NetC26_1: C26.1 R19.2 R20.1 U3.5 | length 356.9
  Top Layer w6.5: R20.1@1950.28,1196.44 1950.28,1326.44 v1(1960.28,1336.44) 1965.4,1331.32 1982.38,1331.32 1997.44,1346.38 U3.5@1997.44,1356.22
  Bottom Layer w6.5: v1(1960.28,1336.44) 1960.28,1287.24 R19.2@1949.49,1276.45 2000.35,1276.45 2015.04,1261.75 C26.1@1999.99,1246.7
NetC28_2: C28.2 U7.10 | length 104.7
  Bottom Layer w6.5: U7.10@3349.65,1381.44 3349.65,1356.29 3359.18,1346.76 C28.2@3425.28,1346.76
NetC31_2: C31.2 D1.1 OLED1.14 R30.1 | length 486.5
  Bottom Layer w6.5: C31.2@2961.36,482.69 2989.11,482.69 3002.92,496.5 3002.92,501.73 3058.65,557.46 3065.55,557.46 D1.1@3077.63,569.53 3077.63,640.65 R30.1@3075.1,643.18 3077.63,643.18 3157.27,643.18 3203.44,689.35 OLED1.14@3312.5,689.35
NetC37_1: C37.1 Q1.2 R32.2 R33.2 | length 295.8
  Bottom Layer w6.5: Q1.2@975.53,103.23 1010.66,103.23 R33.2@1063.19,50.7 ; C37.1@1061.46,-38.56 1063.19,-36.83 R33.2@1063.19,48.73 R33.2@1063.19,50.7 ; R32.2@1137.03,105.26 1122.56,90.8 1105.26,90.8 1079.63,65.16 1077.66,65.16 R33.2@1063.19,50.7
NetC38_1: C38.1 OLED1.3 | length 197.1
  Bottom Layer w6.5: C38.1@3189.68,480.81 3190.66,480.81 3205.72,465.76 3205.72,453.41 3217.22,441.91 3217.22,395.25 3227.51,384.95 OLED1.3@3312.5,384.95
NetC38_2: C38.2 OLED1.2 | length 165.3
  Bottom Layer w6.5: C38.2@3189.68,420.18 3189.68,392.04 3224.37,357.35 OLED1.2@3312.5,357.35
NetC39_1: C39.1 OLED1.5 | length 263.9
  Bottom Layer w6.5: C39.1@3154.4,611.95 3155.38,611.95 3170.44,596.89 3228.72,538.61 3228.72,479.6 3263.66,444.65 3307.9,444.65 OLED1.5@3312.5,440.05
NetC39_2: C39.2 OLED1.4 | length 237.4
  Bottom Layer w6.5: C39.2@3154.4,551.32 3155.38,551.32 3184.88,521.82 ; 3184.88,521.81 3199.32,507.37 3201.94,507.37 3212.38,507.37 3217.22,502.54 3217.22,465.29 3265.35,417.15 3307.9,417.15 OLED1.4@3312.5,412.55
NetC40_1: C40.1 OLED1.28 | length 241.8
  Bottom Layer w6.5: C40.1@3075.28,1086.13 3086.25,1075.15 OLED1.28@3312.5,1075.15
NetC41_1: C41.1 OLED1.27 | length 323.9
  Bottom Layer w6.5: C41.1@3000.7,1025.1 3001.69,1025.1 3027.54,1050.95 3309.1,1050.95 OLED1.27@3312.5,1047.55
NetC49_1: C49.1 U12.14 | length 259.8
  Top Layer w6.5: C49.1@219.96,1215.46 184.95,1180.44 184.95,1048.28 201.79,1031.44 253.24,1031.44 U12.14@255.28,1029.4
NetC51_1: C51.1 U13.8 | length 165.1
  Top Layer w6.5: v1(310.28,41.44) 415.09,41.44 U13.8@415.61,41.96
  Bottom Layer w6.5: v1(310.28,41.44) 313.25,44.41 313.25,54.41 315.28,56.44 340.45,56.44 C51.1@352.66,68.65
NetC51_2: C51.2 U13.12 | length 254.9
  Top Layer w6.5: v1(380.28,-68.56) 435.28,-68.56 500.28,-3.56 U13.12@500.28,16.44
  Bottom Layer w6.5: C51.2@352.66,8.02 352.66,-30.94 380.28,-58.56 v1(380.28,-68.56)
NetC52_1: C52.1 U13.10 | length 120.8
  Top Layer w6.5: v1(409.46,-38.55) 412.43,-35.58 426.63,-35.58 460.37,-1.84 460.37,15.92 U13.10@460.89,16.44
  Bottom Layer w6.5: v1@409.51,-36.81 443.22,-36.81 C52.1@444.97,-38.56
NetJ1_2: J1.2 R12.2 | length 502.6
  Top Layer w6.5: v1(2125.28,41.44) 2125.28,256.44 2120.28,261.44 J1.2@2125.28,266.44
  Bottom Layer w6.5: R12.2@1902.17,162.98 1904.14,162.98 2025.68,41.44 v1(2125.28,41.44)
NetJ1_3: J1.3 R11.2 | length 404.6
  Top Layer w6.5: J1.3@2224.49,266.44 2225.28,265.65 v1(2225.28,131.44)
  Bottom Layer w6.5: R11.2@1970.29,162.98 2003.27,130 2223.84,130 v1(2225.28,131.44)
NetL1_2: R1.2 R.2 | length 123.6
  Top Layer w6.5: R.2@1225.7,32.98 1230.28,28.4 v1(1230.28,-33.56)
  Bottom Layer w6.5: R1.2@1225.71,19.72 1230.28,15.15 v1(1230.28,-33.56)
NetL2_2: R3.2 Y.2 | length 223.8
  Top Layer w6.5: v1(1275.28,-33.56) 1296.67,-12.17 Y.2@1296.67,32.98
  Bottom Layer w6.5: v1(1275.28,-33.56) 1275.28,-29.37 1263.72,-17.81 1263.72,42.92 1271.85,51.05 1288.53,51.05 1296.66,59.18 R3.2@1296.66,86.64
NetL3-1_2: G.2 R3-1.2 | length 126.1
  Top Layer w6.5: G.2@1367.67,32.98 1367.67,-21.76 1375.28,-29.37 v1(1375.28,-33.56)
  Bottom Layer w6.5: R3-1.2@1367.67,19.72 1367.67,-21.76 1375.28,-29.37 v1(1375.28,-33.56)
NetL3_1: L3.1 U3.3 | length 147.1
  Top Layer w6.5: U3.3@1922.64,1458.58 U3.3@1922.64,1468.43
  Top Layer w15: L3.1@1794.6,1493.68 1895.77,1493.68 U3.3@1921.26,1468.19
NetLED1_1: LED1.1 R26.1 | length 178.8
  Top Layer w6.5: LED1.1@2086.82,1191.44 2087.06,1191.44 2132.06,1146.44 2178.53,1146.44 v1(2190.28,1158.19)
  Bottom Layer w6.5: R26.1@2152.21,1191.44 2185.46,1158.19 v1(2190.28,1158.19)
NetLINE_1: LINE.1 U5.2 | length 453.2
  Bottom Layer w6.5: U5.2@2752.6,50.51 2786.06,50.51 2905.13,-68.56 3020.28,-68.56 3035.28,-53.56 LINE.1@3035.28,61.44
NetOLED1_15: OLED1.15 R27.1 R28.2 | length 306.5
  Bottom Layer w6.5: R27.1@3073.7,768.81 3073.76,768.74 R28.2@3073.76,705.68 3084.93,716.85 OLED1.15@3312.5,716.85
NetOLED1_26: OLED1.26 R37.2 | length 270.5
  Bottom Layer w6.5: R37.2@3069.77,953.06 3145.18,953.06 3212.17,1020.05 OLED1.26@3312.5,1020.05
NetR7_2: R7.2 R8.1 U2.1 | length 145
  Bottom Layer w6.5: R7.2@1580.68,1321.11 R7.2@1585,1325.43 ; R8.1@1585,1371.29 R8.1@1595.15,1381.44 ; R8.1@1593.31,1381.44 R8.1@1595.15,1381.44 ; R8.1@1595.28,1381.44 R8.1@1595.15,1381.44
  Bottom Layer w10: U2.1@1528.22,1395.33 1535.28,1402.39 ; R7.2@1585,1325.43 R8.1@1585,1371.29
  Bottom Layer w15: 1535.28,1402.39 1572.37,1402.39 R8.1@1593.31,1381.44
NetR14_2: R14.2 U4.1 | length 121.6
  Top Layer w6.5: U4.1@2265.74,1477.66 2290.28,1502.2 v1(2290.28,1521.44)
  Bottom Layer w6.5: v1(2290.28,1521.44) 2348.73,1521.44 R14.2@2355.27,1514.9
NetR15_2: R15.2 U4.3 | length 154.9
  Top Layer w6.5: U4.3@2265.74,1320.18 2287.39,1320.18 2329.53,1278.04 2348.68,1278.04 v1@2350.28,1276.44
  Bottom Layer w6.5: v1(2350.29,1274.91) 2350.29,1279.11 2360.29,1289.11 R15.2@2360.29,1322.98
NetR16_2: R16.2 U4.10 | length 68.9
  Bottom Layer w6.5: R16.2@2765.27,1024.9 2767.24,1024.9 2799.53,992.61 2819.11,992.61 v1(2820.28,991.44)
NetR25_2: R25.2 U7.9 | length 126.1
  Top Layer w6.5: R25.2@3300.29,1309.9 3339.54,1309.9 3346.09,1316.44 v1(3350.28,1316.44)
  Bottom Layer w6.5: U7.9@3329.96,1381.44 3329.96,1355.06 3347.83,1337.19 3347.83,1318.89 v1(3350.28,1316.44)
NetR34_1: R34.1 R44.2 U8.7 | length 504.8
  Top Layer w6.5: U8.7@1623.29,941.42 1765.3,941.42 v1(1770.28,936.44)
  Bottom Layer w6.5: R34.1@1550.28,1001.44 R34.1@1552.25,1001.44 ; R44.2@1606.82,996.43 1601.81,1001.44 1555.28,1001.44 R34.1@1552.25,1001.44 ; v1(1770.28,936.44) 1770.28,975.73 1721.65,1024.37 1557.75,1024.37 1557.75,1006.94 R34.1@1552.25,1001.44
NetR34_2: R34.2 R45.2 U8.6 | length 209.7
  Top Layer w6.5: v1(1520.33,911.07) 1520.33,910.91 1537.31,893.93 1620.78,893.93 U8.6@1623.29,891.42
  Bottom Layer w6.5: v1(1520.33,911.07) 1523.3,914.04 1527.84,914.04 1548.31,934.51 R34.2@1550.28,934.51 1552.21,936.44 R45.2@1608.35,936.44
NetR38_2: R38.2 U11.5 | length 104.4
  Top Layer w6.5: U11.5@818.42,126.66 818.42,138.42 v1(845,165)
  Bottom Layer w6.5: v1(845,165) 847.97,162.03 856.43,162.03 868.7,149.76 868.7,147.11 883.17,132.64 R38.2@885.13,132.64
NetR39_2: R39.2 U11.2 | length 170.6
  Top Layer w6.5: U11.2@761.34,75.48 765.96,80.11 771.74,80.11 776.57,84.94 789.44,97.81 789.44,140.6 810.28,161.44 v1@810.28,166.44
  Bottom Layer w6.5: v1(810,165) 829.36,184.36 829.36,202.81 R39.2@836.54,209.99
NetR46_2: R46.2 U7.8 | length 155.1
  Top Layer w6.5: R46.2@3211.16,1309.9 3244.54,1309.9 3251.09,1316.44 v1(3255.28,1316.44)
  Bottom Layer w6.5: v1(3255.28,1316.44) 3290.28,1316.44 3309.41,1335.57 3309.41,1351 3309.41,1380.57 U7.8@3310.28,1381.44
NetR50_1: R50.1 U5.12 | length 151.5
  Bottom Layer w6.5: R50.1@1960.29,594.91 1988.04,622.66 U5.12@2100.28,622.66
NRST: C3.2 K3.2 R5.1 U1.14 | length 623.2
  Top Layer w6.5: v1(805.28,1491.44) 895.28,1491.44 K3.2@900.28,1486.44 ; K3.2@905.28,1486.44 K3.2@900.28,1486.44 ; U1.14@921.85,1151.81 921.85,1229.87 850.28,1301.44 850.28,1433.62 883.53,1466.87 883.53,1469.69 K3.2@900.28,1486.44
  Bottom Layer w6.5: R5.1@745.28,1446.44 745.48,1446.64 C3.2@745.48,1506.22 C3.2@745.48,1506.39 ; C3.2@745.48,1516.22 C3.2@745.48,1506.39 ; v1@805.51,1491.33 760.54,1491.33 C3.2@745.48,1506.39
OLED_I2C1_SCL: M1.30 OLED1.18 R35.2 U1.92 | length 3874.2
  Top Layer w6.5: v2(1185.28,941.44) 1201.21,941.44 1209.34,933.31 U1.92@1238.78,933.31 1264.7,933.31 1387.83,1056.44 1684.73,1056.44 1709.73,1031.44 1860.28,1031.44 1946.21,945.51 2196.36,945.51 2213.14,962.29 2311.25,962.29 2388.36,1039.41 v1(2685.49,1039.41)
  Bottom Layer w6.5: M1.30@45.28,312.17 134.07,312.17 256.34,434.44 627.02,434.44 775.28,582.7 775.28,618.91 830.28,673.91 830.28,718.86 997.56,886.14 1065.05,953.63 1168.09,953.63 1180.28,941.44 v2(1185.28,941.44) ; v1(2685.49,1039.41) 2730.71,1039.41 2742.17,1050.86 2824.95,1050.86 2960.02,915.8 3027.9,915.8 3032.73,910.96 3032.73,864.76 3030.34,862.37 3030.34,856.99 3037.11,850.22 3037.11,840.61 3046.27,831.45 R35.2@3073.74,831.45 3239.25,831.45 3271.15,799.55 OLED1.18@3312.5,799.55
OLED_I2C1_SDA: M1.32 OLED1.19 OLED1.20 R36.2 U1.93 | length 3779.3
  Top Layer w6.5: v2(1180.28,971.44) 1181.39,970.33 1195.52,970.33 1212.85,953 1264.71,953 1383.9,1072.19 1727.31,1072.19 1751.35,1048.15 2318.37,1048.15 2346.66,1076.44 v1(2680.28,1076.44)
  Bottom Layer w6.5: M1.32@45.28,331.86 137.5,331.86 252.08,446.44 622.75,446.44 763.78,587.47 763.78,623.68 815.65,675.54 815.65,720.49 1022.93,927.77 1066.6,971.44 v2(1180.28,971.44) ; v1(2680.28,1076.44) 2832.39,1076.44 2975.92,932.91 3028.65,932.91 3057.26,904.3 3059.23,904.3 3073.69,889.83 3073.69,887.07 3088.16,872.6 3096.63,872.6 3114.57,854.65 OLED1.20@3312.5,854.65 OLED1.19@3312.5,827.15
OTGD+_P: R21.2 USB-DEVICE.A6 USB-DEVICE.B6 | length 250.5
  Top Layer w6.5: R21.2@3430.29,66.44 3461.7,66.44 3512.63,117.37 3577.37,117.37 3585,125 3585,145 3575.91,154.09 3540.97,154.09 USB-DEVICE.B6@3538.31,156.74
OTGD-_N: R22.2 USB-DEVICE.A7 USB-DEVICE.B7 | length 539.6
  Top Layer w6.5: R22.2@3430.29,184.9 3436.09,179.1 3436.48,179.1 3445.15,170.43 3445.15,161.57 3470.28,136.44 3470.28,91.29 3465.43,86.44 3403.81,86.44 3400,82.63 3400,28.81 3403.81,25 3455,25 3465,35 3465,51.16 3508.88,95.03 3535.66,95.03 USB-DEVICE.B7@3538.31,97.69 ; R22.2@3434.38,180.8 3455.92,180.8 3499.66,137.06 USB-DEVICE.A7@3538.31,137.06
PA3: M1.72 U1.26 | length 797.8
  Top Layer w6.5: v2(600.28,1116.44) 603.25,1113.47 606.21,1116.44 625.28,1116.44 635.28,1106.44 635.28,1093.24 637.73,1090.79 U1.26@644.3,1090.79
  Bottom Layer w6.5: M1.72@45.28,725.3 236.36,725.3 499.53,988.47 499.53,1015.69 v2(600.28,1116.44)
PA6: M1.69 U1.31 | length 751
  Top Layer w6.5: M1.69@45.28,696.09 304.93,696.09 394.17,785.33 v1(394.17,787.55) ; v2(590.28,991.44) 591.93,993.09 643.58,993.09 U1.31@644.3,992.37
  Bottom Layer w6.5: v1(394.17,787.55) 394.17,834.31 534.03,974.18 551.29,991.44 v2(590.28,991.44)
PA8: M1.7 U1.67 | length 1270.4
  Top Layer w6.5: M1.7@45.28,85.85 245.9,85.85 464.11,304.06 937.9,304.06 1020.28,386.44 U1.67@1020.28,557.33